# Altium PCB amp.PcbDoc (part 16 of 20) (continued)
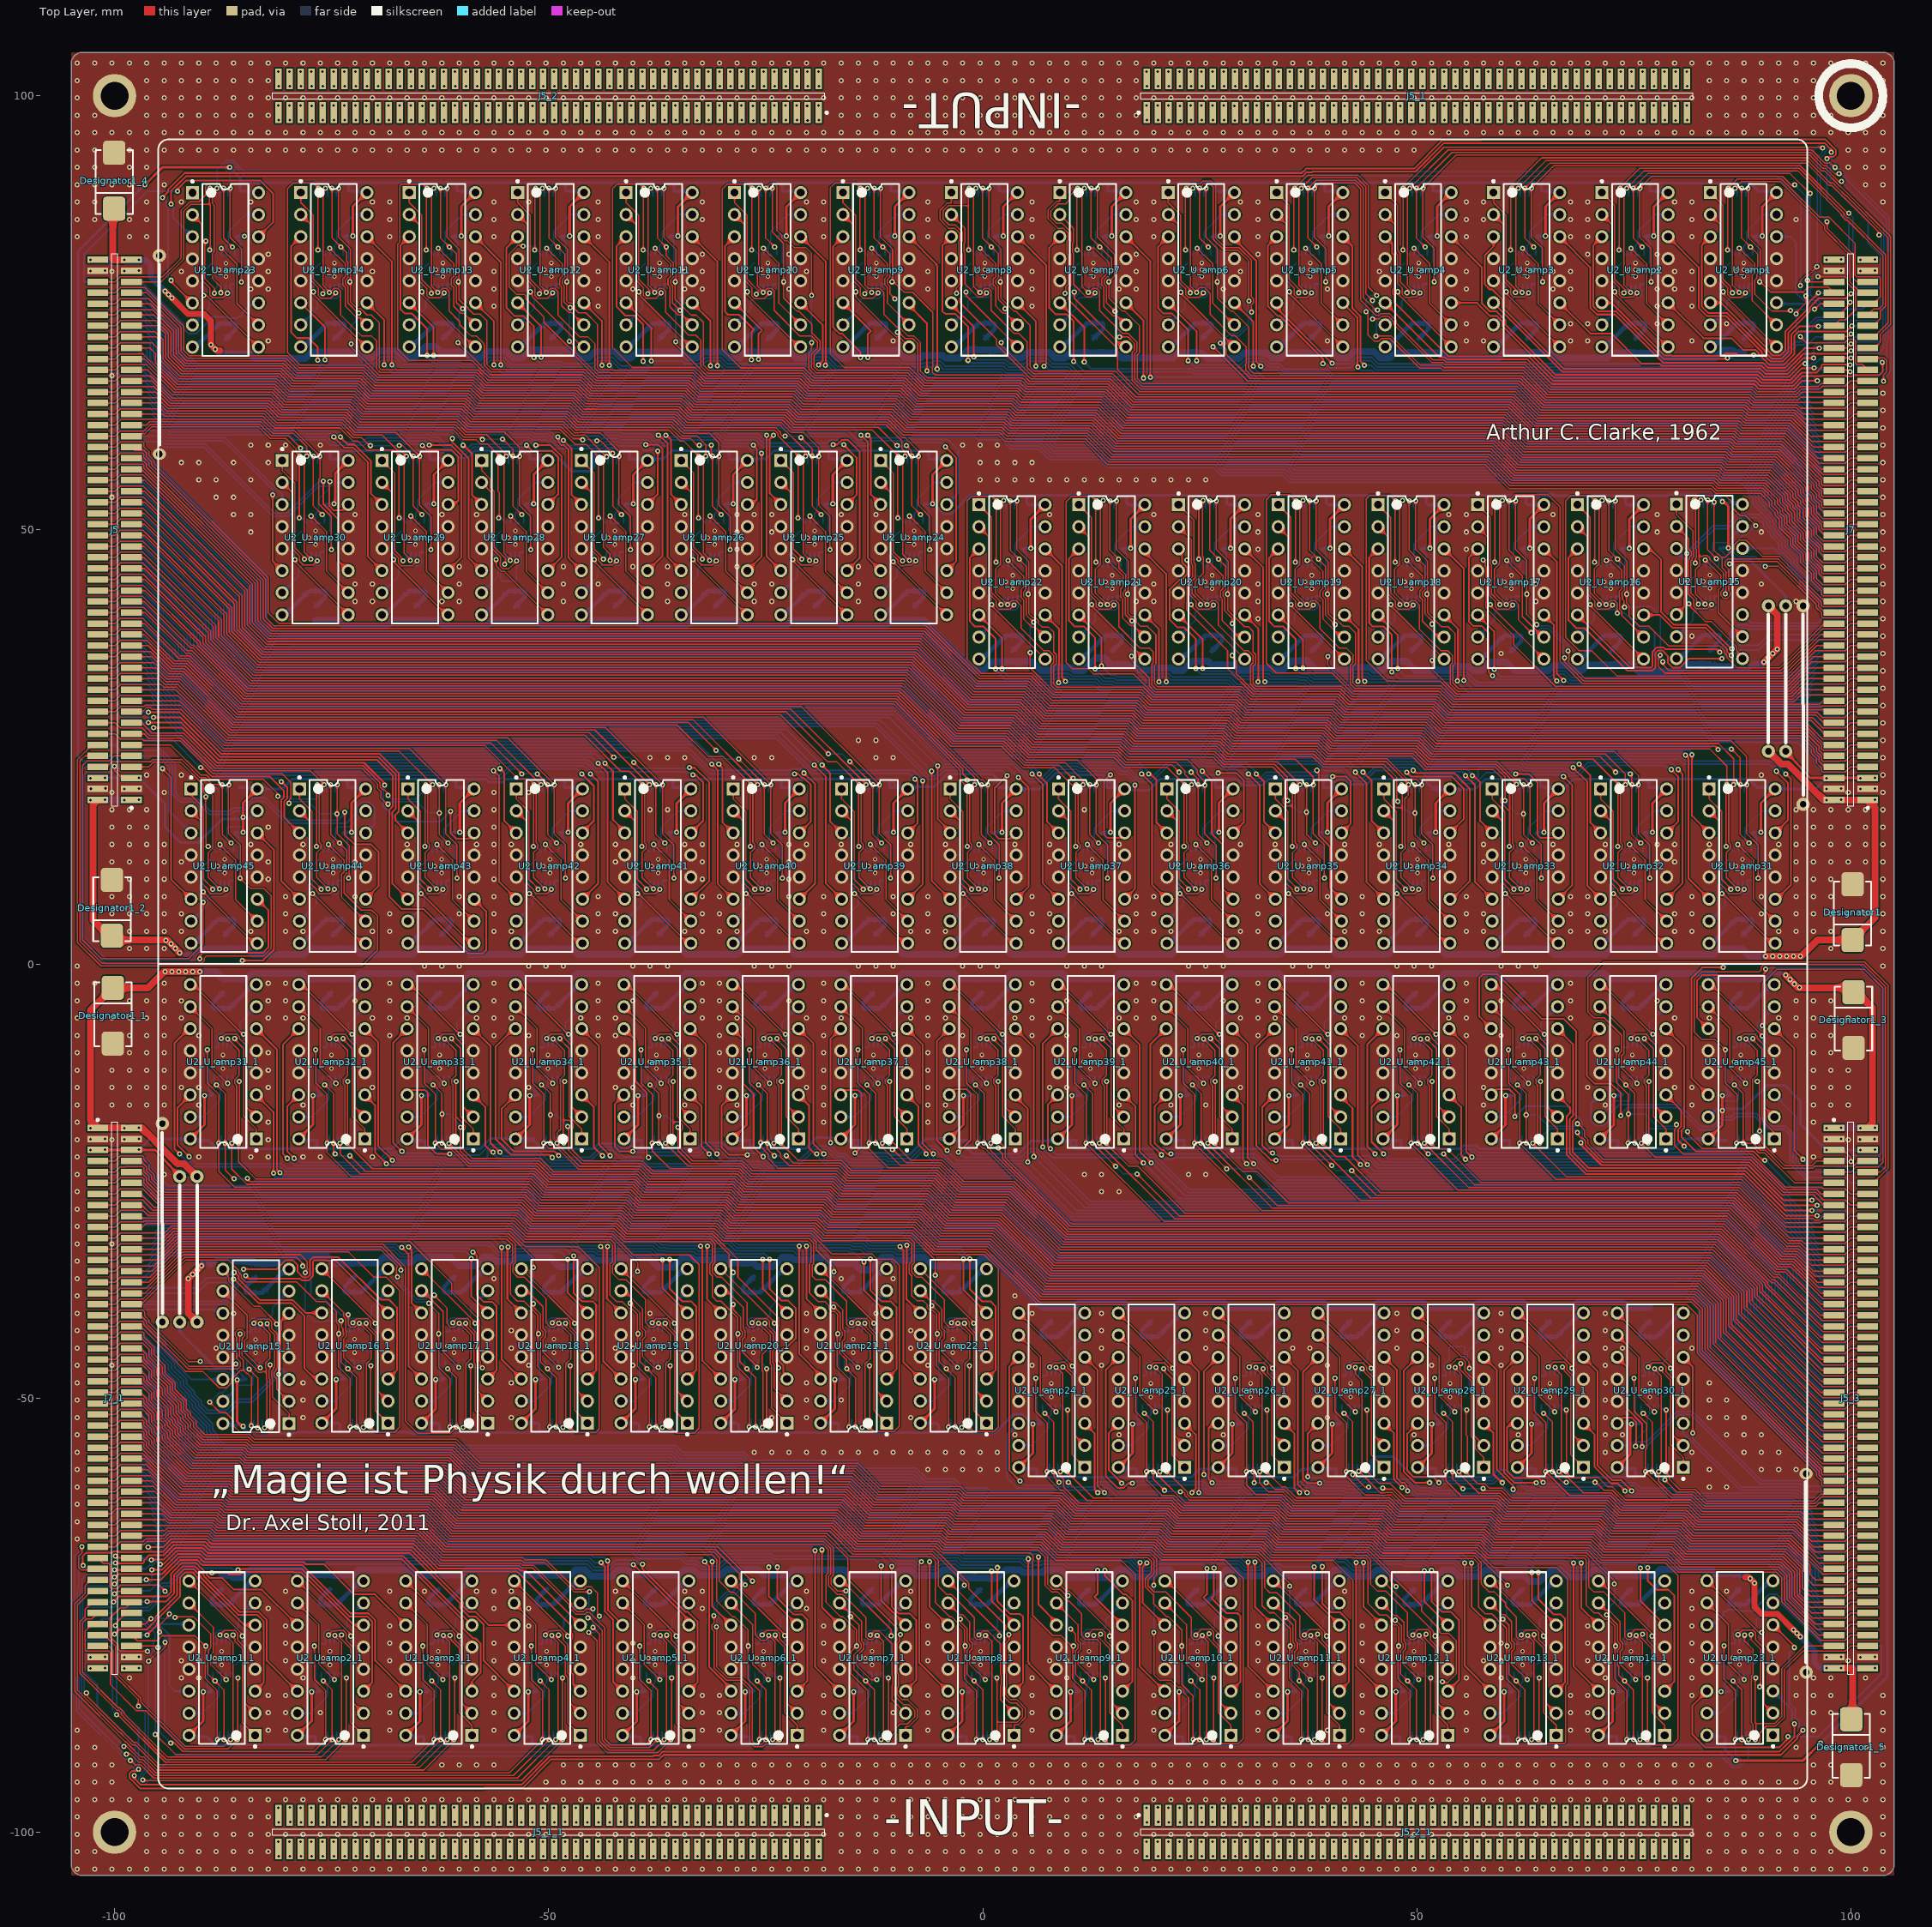
[diagram p0: Top Layer view]
## Nets (pads, with @x,y where several pads share a name; then routed paths per layer and width w, separated by ;. In a path a pad name is that pad's centre, name@x,y a point inside that pad or via, vN(x,y) a via of type N, cw(c..) or ccw(c..) an arc to the next point about the centre after c; other vN are vias at no path point) (continued)
  Bottom Layer w0.2: J8_1.83@-98.05,-70.955 -98.037,-70.942 v1(-96.368,-70.942) ; v1(96.368,70.942) 98.037,70.942 J8.83@98.05,70.955
NetJ8_84: J8.84 J8_1.84 U2_U_amp3.11 U2_U_amp3_1.11 | length 79.8
  Top Layer w0.2: v1(-100,-70.612) -99.873,-70.612 -99.566,-70.305 -95.954,-70.305 -95.935,-70.324 -95.479,-70.324 -95.461,-70.305 -94.562,-70.305 -94.19,-69.933 -94.19,-69.931 -92.579,-68.32 -90.301,-68.32 -89.723,-68.899 -78.222,-68.899 -77.983,-69.139 -75.895,-69.139 -72.424,-72.61 -70,-72.61 U2_U_amp3_1.11@-66.46,-76.15 ; U2_U_amp3.11@66.46,76.15 70,72.61 72.424,72.61 75.895,69.139 77.983,69.139 78.222,68.899 89.723,68.899 90.301,68.32 92.579,68.32 94.19,69.931 94.19,69.933 94.562,70.305 95.461,70.305 95.479,70.324 95.935,70.324 95.954,70.305 99.566,70.305 99.873,70.612 v1(100,70.612)
  Bottom Layer w0.2: J8_1.84@-101.95,-70.955 -100.521,-70.955 -100.355,-70.79 -100.051,-70.79 -100,-70.739 v1(-100,-70.612) ; v1(100,70.612) 100,70.739 100.051,70.79 100.355,70.79 100.521,70.955 J8.84@101.95,70.955
NetJ8_85: J8.85 J8_1.85 U2_U_amp3.6 U2_U_amp3_1.6 | length 91.6
  Top Layer w0.2: v1(-94.717,-69.164) -94.413,-69.164 -92.869,-67.62 -90.011,-67.62 -89.433,-68.199 -66.791,-68.199 U2_U_amp3_1.6@-58.84,-76.15 ; U2_U_amp3.6@58.84,76.15 66.791,68.199 89.433,68.199 90.011,67.62 92.869,67.62 94.413,69.164 v1(94.717,69.164)
  Bottom Layer w0.2: J8_1.85@-98.05,-72.225 -95.923,-72.225 -95.433,-71.735 -95.433,-71.72 -94.701,-70.988 -94.701,-70.647 -94.717,-70.663 v1(-94.717,-69.164) ; v1(94.717,69.164) 94.717,70.663 94.701,70.647 94.701,70.988 95.433,71.72 95.433,71.735 95.923,72.225 J8.85@98.05,72.225
NetJ8_86: J8.86 J8_1.86 U2_U_amp3.3 U2_U_amp3_1.3 | length 114.7
  Top Layer w0.2: v1(-95.707,-69.774) -94.528,-69.774 -92.724,-67.97 -90.156,-67.97 -89.578,-68.549 -66.936,-68.549 -59.84,-75.645 -59.84,-76.565 -58.714,-77.69 -58.426,-77.69 -57.84,-78.276 -57.84,-81.645 -58.84,-82.645 U2_U_amp3_1.3@-58.84,-83.77 ; U2_U_amp3.3@58.84,83.77 58.84,82.645 57.84,81.645 57.84,78.276 58.426,77.69 58.714,77.69 59.84,76.565 59.84,75.645 66.936,68.549 89.578,68.549 90.156,67.97 92.724,67.97 94.528,69.774 v1(95.707,69.774)
  Bottom Layer w0.2: J8_1.86@-101.95,-72.225 -100.486,-72.225 -100.253,-71.992 -99.741,-71.992 -99.354,-71.605 -97.437,-71.605 -97.407,-71.575 -96.223,-71.575 -95.707,-71.06 v1(-95.707,-69.774) ; v1(95.707,69.774) 95.707,71.06 96.223,71.575 97.407,71.575 97.437,71.605 99.354,71.605 99.741,71.992 100.253,71.992 100.486,72.225 J8.86@101.95,72.225
NetJ8_87: J8.87 J8_1.87 U2_U_amp2.14 U2_U_amp2_1.14 | length 61.6
  Top Layer w0.2: v1(-96.266,-73.457) -94.13,-73.457 -93.14,-72.468 -93.14,-70.366 -92.145,-69.37 -90.736,-69.37 -89.74,-70.366 -89.74,-70.511 -85.641,-74.61 -83.451,-74.61 -82.47,-75.591 -82.47,-80.25 U2_U_amp2_1.14@-78.95,-83.77 ; U2_U_amp2.14@78.95,83.77 82.47,80.25 82.47,75.591 83.451,74.61 85.641,74.61 89.74,70.511 89.74,70.366 90.736,69.37 92.145,69.37 93.14,70.366 93.14,72.468 94.13,73.457 v1(96.266,73.457)
  Bottom Layer w0.2: J8_1.87@-98.05,-73.495 -98.012,-73.457 v1(-96.266,-73.457) ; v1(96.266,73.457) 98.012,73.457 J8.87@98.05,73.495
NetJ8_88: J8.88 J8_1.88 U2_U_amp2.11 U2_U_amp2_1.11 | length 58.2
  Top Layer w0.2: v1(-100.127,-73.482) -99.509,-72.864 -94.032,-72.864 -93.49,-72.323 -93.49,-70.221 -92.29,-69.02 -90.591,-69.02 -89.374,-70.238 -89.374,-70.383 -89.052,-70.705 -87.645,-70.705 -86.28,-72.07 -83.03,-72.07 U2_U_amp2_1.11@-78.95,-76.15 ; U2_U_amp2.11@78.95,76.15 83.03,72.07 86.28,72.07 87.645,70.705 89.052,70.705 89.374,70.383 89.374,70.238 90.591,69.02 92.29,69.02 93.49,70.221 93.49,72.323 94.032,72.864 99.509,72.864 v1(100.127,73.482)
  Bottom Layer w0.2: J8_1.88@-101.95,-73.495 -101.937,-73.482 v1(-100.127,-73.482) ; v1(100.127,73.482) 101.937,73.482 J8.88@101.95,73.495
NetJ8_89: J8.89 J8_1.89 U2_U_amp2.6 U2_U_amp2_1.6 | length 64.2
  Top Layer w0.2: v1(-88.824,-70.155) -86.97,-70.155 -86.775,-70.349 -85.573,-70.349 -85.277,-70.053 -79.375,-70.053 -79.358,-70.07 -78.536,-70.07 -72.456,-76.15 U2_U_amp2_1.6@-71.33,-76.15 ; U2_U_amp2.6@71.33,76.15 72.456,76.15 78.536,70.07 79.358,70.07 79.375,70.053 85.277,70.053 85.573,70.349 86.775,70.349 86.97,70.155 v1(88.824,70.155)
  Bottom Layer w0.2: J8_1.89@-98.05,-74.765 -97.033,-74.765 -96.763,-74.495 -96.031,-74.495 -95.205,-73.668 -95.205,-73.227 -94.733,-72.755 -94.733,-72.01 -94.411,-71.688 -93.665,-71.688 -92.048,-70.07 -90.642,-70.07 -90.558,-70.155 v1(-88.824,-70.155) ; v1(88.824,70.155) 90.558,70.155 90.642,70.07 92.048,70.07 93.665,71.688 94.411,71.688 94.733,72.01 94.733,72.755 95.205,73.227 95.205,73.668 96.031,74.495 96.763,74.495 97.033,74.765 J8.89@98.05,74.765
NetJ8_90: J8.90 J8_1.90 U2_U_amp2.3 U2_U_amp2_1.3 | length 91
  Top Layer w0.2: v1(-85.801,-69.799) -85.705,-69.703 -78.408,-69.703 -72.961,-75.15 -70.916,-75.15 -70.33,-75.736 -70.33,-82.77 U2_U_amp2_1.3@-71.33,-83.77 ; U2_U_amp2.3@71.33,83.77 70.33,82.77 70.33,75.736 70.916,75.15 72.961,75.15 78.408,69.703 85.705,69.703 v1(85.801,69.799)
  Bottom Layer w0.2: J8_1.90@-101.95,-74.765 -99.974,-74.765 -99.354,-74.145 -96.176,-74.145 -95.555,-73.523 -95.555,-73.082 -95.083,-72.61 -95.083,-71.865 -94.556,-71.338 -93.81,-71.338 -92.078,-69.605 -86.529,-69.605 -86.335,-69.799 v1(-85.801,-69.799) ; v1(85.801,69.799) 86.335,69.799 86.529,69.605 92.078,69.605 93.81,71.338 94.556,71.338 95.083,71.865 95.083,72.61 95.555,73.082 95.555,73.523 96.176,74.145 99.354,74.145 99.974,74.765 J8.90@101.95,74.765
NetJ8_91: J8.91 J8_1.91 U2_U_amp1.14 U2_U_amp1_1.14 | length 26.6
  Bottom Layer w0.2: J8_1.91@-98.05,-76.035 -96.621,-76.035 -96.214,-76.442 -95.102,-76.442 -95.046,-76.387 -94.59,-76.387 -93.633,-77.344 -93.633,-78.358 -93.701,-78.426 -93.701,-83.083 -93.014,-83.77 U2_U_amp1_1.14@-91.44,-83.77 ; U2_U_amp1.14@91.44,83.77 93.014,83.77 93.701,83.083 93.701,78.426 93.633,78.358 93.633,77.344 94.59,76.387 95.046,76.387 95.102,76.442 96.214,76.442 96.621,76.035 J8.91@98.05,76.035
NetJ8_92: J8.92 J8_1.92 U2_U_amp1.11 U2_U_amp1_1.11 | length 22.2
  Bottom Layer w0.2: J8_1.92@-101.95,-76.035 -101.33,-75.415 -96.746,-75.415 -96.069,-76.092 -95.247,-76.092 -95.191,-76.037 -91.554,-76.037 U2_U_amp1_1.11@-91.44,-76.15 ; U2_U_amp1.11@91.44,76.15 91.554,76.037 95.191,76.037 95.247,76.092 96.069,76.092 96.746,75.415 101.33,75.415 J8.92@101.95,76.035
NetJ8_93: J8.93 J8_1.93 U2_U_amp1.6 U2_U_amp1_1.6 | length 43
  Top Layer w0.2: v1(-96.266,-77.292) -95.143,-76.169 -95.143,-76.015 -94.934,-75.806 -94.934,-75.335 -92.44,-72.841 -92.44,-70.656 -91.855,-70.07 -91.026,-70.07 -90.44,-70.656 -90.44,-70.801 -85.091,-76.15 U2_U_amp1_1.6@-83.82,-76.15 ; U2_U_amp1.6@83.82,76.15 85.091,76.15 90.44,70.801 90.44,70.656 91.026,70.07 91.855,70.07 92.44,70.656 92.44,72.841 94.934,75.335 94.934,75.806 95.143,76.015 95.143,76.169 v1(96.266,77.292)
  Bottom Layer w0.2: J8_1.93@-98.05,-77.305 -98.037,-77.292 v1(-96.266,-77.292) ; v1(96.266,77.292) 98.037,77.292 J8.93@98.05,77.305
NetJ8_94: J8.94 J8_1.94 U2_U_amp1.3 U2_U_amp1_1.3 | length 69.7
  Top Layer w0.2: v1(-100,-77.216) -99.439,-76.655 -96.299,-76.655 -95.284,-75.64 -95.284,-75.19 -92.79,-72.696 -92.79,-70.511 -92,-69.72 -90.881,-69.72 -90.09,-70.511 -90.09,-70.656 -85.786,-74.96 -83.596,-74.96 -82.82,-75.736 -82.82,-82.77 U2_U_amp1_1.3@-83.82,-83.77 ; U2_U_amp1.3@83.82,83.77 82.82,82.77 82.82,75.736 83.596,74.96 85.786,74.96 90.09,70.656 90.09,70.511 90.881,69.72 92,69.72 92.79,70.511 92.79,72.696 95.284,75.19 95.284,75.64 96.299,76.655 99.439,76.655 v1(100,77.216)
  Bottom Layer w0.2: J8_1.94@-101.95,-77.305 -101.861,-77.216 v1(-100,-77.216) ; v1(100,77.216) 101.861,77.216 J8.94@101.95,77.305
NetJ8_95: J8.95 J8_1.95 U2_U_amp23.6 U2_U_amp23_1.6 | length 457.1
  Top Layer w0.2: v1(-97.25,-92.75) -97.05,-92.95 -97.978,-92.95 -98.3,-93.272 -98.3,-93.728 -97.028,-95 -57.5,-95 -57.4,-94.9 -52.99,-94.9 -49.69,-91.6 -37.245,-91.6 -36.745,-91.1 91.923,-91.1 93.85,-89.173 93.85,-88.9 v1(94.5,-88.25) ; v1(-94.5,88.25) -93.85,88.9 -93.85,89.173 -91.923,91.1 36.745,91.1 37.245,91.6 49.69,91.6 52.99,94.9 57.4,94.9 57.5,95 97.028,95 98.3,93.728 98.3,93.272 97.978,92.95 97.05,92.95 v1(97.25,92.75) ; v1(-93.5,78.75) -93.5,78.589 U2_U_amp23.6@-91.041,76.13 ; U2_U_amp23_1.6@91.041,-76.13 93.5,-78.589 v1(93.5,-78.75)
  Bottom Layer w0.2: J8_1.95@-98.05,-78.575 -98.704,-78.575 -99.75,-79.621 -99.75,-85.5 -97.271,-87.979 -97.271,-92.729 v1(-97.25,-92.75) ; v1(-94.5,88.25) -94.014,87.764 -94.05,87.728 -94.05,87.272 -93.828,87.05 -93.828,79.078 v1(-93.5,78.75) ; v1(93.5,-78.75) 92.913,-79.337 92.913,-85.127 93.6,-85.814 93.6,-86.822 94.05,-87.272 94.05,-87.728 94.014,-87.764 v1(94.5,-88.25) ; v1(97.25,92.75) 97.271,92.729 97.271,87.979 99.75,85.5 99.75,79.621 98.704,78.575 J8.95@98.05,78.575
NetJ8_96: J8.96 J8_1.96 U2_U_amp23.3 U2_U_amp23_1.3 | length 438.2
  Top Layer w0.2: v1(-97.75,-93.5) -97.75,-93.778 -96.978,-94.55 -53.135,-94.55 -49.835,-91.25 -38,-91.25 -37.942,-91.192 -37.332,-91.192 -36.89,-90.75 91.75,-90.75 92.95,-89.55 92.978,-89.55 93.5,-89.028 v1(93.5,-87.5) ; v1(-93.5,87.5) -93.5,89.028 -92.978,89.55 -92.95,89.55 -91.75,90.75 36.89,90.75 37.332,91.192 37.942,91.192 38,91.25 49.835,91.25 53.135,94.55 96.978,94.55 97.75,93.778 v1(97.75,93.5)
  Bottom Layer w0.15: J8_1.96@-102.825,-78.575 -103.4,-79.15 -103.4,-81.6 -102,-83 ; 102,83 103.4,81.6 103.4,79.15 J8.96@102.825,78.575
  Bottom Layer w0.2: J8_1.96@-102.825,-78.575 J8_1.96@-101.95,-78.575 ; -102,-83 -102,-85.523 -100.123,-87.4 -100.1,-87.4 -97.621,-89.879 -97.621,-92.343 -97.8,-92.522 -97.8,-92.978 -97.621,-93.156 -97.621,-93.371 v1(-97.75,-93.5) ; v1(-93.5,87.5) -93.25,87.25 -93.25,85.959 U2_U_amp23.3@-91.041,83.75 ; U2_U_amp23_1.3@91.041,-83.75 93.25,-85.959 93.25,-87.25 v1(93.5,-87.5) ; v1(97.75,93.5) 97.621,93.371 97.621,93.156 97.8,92.978 97.8,92.522 97.621,92.343 97.621,89.879 100.1,87.4 100.123,87.4 102,85.523 102,83 ; J8.96@101.95,78.575 J8.96@102.825,78.575
NetU1_U_amp1_2: U1_U_amp1.2 U1_U_amp1.3 U1_U_amp1_1.2 U1_U_amp1_1.3 U2_U_amp1.7 U2_U_amp1_1.7 | length 16.6
  Bottom Layer w0.15: U1_U_amp1_1.2@-88.687,-78.305 U1_U_amp1_1.3@-88.187,-78.305 -88.179,-78.297 -88.179,-77.795 -88.388,-77.587 -88.388,-77.07 -88.072,-76.754 -86.132,-76.754 -85.725,-76.347 -85.725,-75.515 U2_U_amp1_1.7@-83.82,-73.61 ; U2_U_amp1.7@83.82,73.61 85.725,75.515 85.725,76.347 86.132,76.754 88.072,76.754 88.388,77.07 88.388,77.587 88.179,77.795 88.179,78.297 U1_U_amp1.3@88.187,78.305 U1_U_amp1.2@88.687,78.305
NetU1_U_amp1_4: U1_U_amp1.4 U1_U_amp1_1.4 U2_U_amp1.2 U2_U_amp1_1.2 | length 27
  Top Layer w0.15: v1(-87.863,-77.287) -87.342,-76.767 -86.143,-76.767 -85.835,-77.075 -85.835,-77.873 -84.967,-78.742 -84.967,-85.164 U2_U_amp1_1.2@-83.82,-86.31 ; U2_U_amp1.2@83.82,86.31 84.967,85.164 84.967,78.742 85.835,77.873 85.835,77.075 86.143,76.767 87.342,76.767 v1(87.863,77.287)
  Bottom Layer w0.15: U1_U_amp1_1.4@-87.687,-78.305 v1@-87.687,-77.227 ; v1@87.687,77.227 U1_U_amp1.4@87.687,78.305
NetU1_U_amp1_10: U1_U_amp1.10 U1_U_amp1_1.10 U2_U_amp1.10 U2_U_amp1_1.10 | length 23.4
  Top Layer w0.15: U2_U_amp1_1.10@-91.44,-73.61 -88.65,-76.401 -88.65,-79.325 -88.95,-79.625 -88.95,-80.641 v1(-87.147,-82.443) ; v1(87.147,82.443) 88.95,80.641 88.95,79.625 88.65,79.325 88.65,76.401 U2_U_amp1.10@91.44,73.61
  Bottom Layer w0.15: U1_U_amp1_1.10@-87.187,-81.605 -87.187,-82.403 v1(-87.147,-82.443) ; v1(87.147,82.443) 87.187,82.403 U1_U_amp1.10@87.187,81.605
NetU1_U_amp1_11: U1_U_amp1.11 U1_U_amp1.12 U1_U_amp1_1.11 U1_U_amp1_1.12 U2_U_amp1.15 U2_U_amp1_1.15 | length 15.3
  Bottom Layer w0.15: U2_U_amp1_1.15@-91.44,-86.31 -89.938,-86.31 -87.976,-84.349 -87.976,-83.028 -87.687,-82.739 U1_U_amp1_1.11@-87.687,-81.605 U1_U_amp1_1.12@-88.187,-81.605 ; U1_U_amp1.12@88.187,81.605 U1_U_amp1.11@87.687,81.605 87.687,82.739 87.976,83.028 87.976,84.349 89.938,86.31 U2_U_amp1.15@91.44,86.31
NetU1_U_amp2_2: U1_U_amp2.2 U1_U_amp2.3 U1_U_amp2_1.2 U1_U_amp2_1.3 U2_U_amp2.7 U2_U_amp2_1.7 | length 16.6
  Bottom Layer w0.15: U1_U_amp2_1.2@-76.197,-78.305 U1_U_amp2_1.3@-75.697,-78.305 -75.689,-78.297 -75.689,-77.795 -75.897,-77.587 -75.897,-77.07 -75.581,-76.754 -73.641,-76.754 -73.235,-76.347 -73.235,-75.515 U2_U_amp2_1.7@-71.33,-73.61 ; U2_U_amp2.7@71.33,73.61 73.235,75.515 73.235,76.347 73.641,76.754 75.581,76.754 75.897,77.07 75.897,77.587 75.689,77.795 75.689,78.297 U1_U_amp2.3@75.697,78.305 U1_U_amp2.2@76.197,78.305
NetU1_U_amp2_4: U1_U_amp2.4 U1_U_amp2_1.4 U2_U_amp2.2 U2_U_amp2_1.2 | length 27
  Top Layer w0.15: v1(-75.372,-77.287) -74.898,-76.813 -74.355,-76.813 -74.309,-76.767 -73.646,-76.767 -73.338,-77.075 -73.338,-77.88 -72.477,-78.742 -72.477,-85.164 U2_U_amp2_1.2@-71.33,-86.31 ; U2_U_amp2.2@71.33,86.31 72.477,85.164 72.477,78.742 73.338,77.88 73.338,77.075 73.646,76.767 74.309,76.767 74.355,76.813 74.898,76.813 v1(75.372,77.287)
  Bottom Layer w0.15: U1_U_amp2_1.4@-75.197,-78.305 v1@-75.197,-77.227 ; v1@75.197,77.227 U1_U_amp2.4@75.197,78.305
NetU1_U_amp2_10: U1_U_amp2.10 U1_U_amp2_1.10 U2_U_amp2.10 U2_U_amp2_1.10 | length 22.9
  Top Layer w0.15: U2_U_amp2_1.10@-78.95,-73.61 -76.46,-76.101 -76.46,-80.641 v1(-74.657,-82.443) ; v1(74.657,82.443) 76.46,80.641 76.46,76.101 U2_U_amp2.10@78.95,73.61
  Bottom Layer w0.15: U1_U_amp2_1.10@-74.697,-81.605 -74.697,-82.403 v1(-74.657,-82.443) ; v1(74.657,82.443) 74.697,82.403 U1_U_amp2.10@74.697,81.605
NetU1_U_amp2_11: U1_U_amp2.11 U1_U_amp2.12 U1_U_amp2_1.11 U1_U_amp2_1.12 U2_U_amp2.15 U2_U_amp2_1.15 | length 15.3
  Bottom Layer w0.15: U2_U_amp2_1.15@-78.95,-86.31 -77.448,-86.31 -75.486,-84.349 -75.486,-83.028 -75.197,-82.739 U1_U_amp2_1.11@-75.197,-81.605 U1_U_amp2_1.12@-75.697,-81.605 ; U1_U_amp2.12@75.697,81.605 U1_U_amp2.11@75.197,81.605 75.197,82.739 75.486,83.028 75.486,84.349 77.448,86.31 U2_U_amp2.15@78.95,86.31
NetU1_U_amp3_2: U1_U_amp3.2 U1_U_amp3.3 U1_U_amp3_1.2 U1_U_amp3_1.3 U2_U_amp3.7 U2_U_amp3_1.7 | length 16.6
  Bottom Layer w0.15: U1_U_amp3_1.2@-63.707,-78.305 U1_U_amp3_1.3@-63.207,-78.305 -63.199,-78.297 -63.199,-77.795 -63.407,-77.587 -63.407,-77.07 -63.091,-76.754 -61.151,-76.754 -60.745,-76.347 -60.745,-75.515 U2_U_amp3_1.7@-58.84,-73.61 ; U2_U_amp3.7@58.84,73.61 60.745,75.515 60.745,76.347 61.151,76.754 63.091,76.754 63.407,77.07 63.407,77.587 63.199,77.795 63.199,78.297 U1_U_amp3.3@63.207,78.305 U1_U_amp3.2@63.707,78.305
NetU1_U_amp3_4: U1_U_amp3.4 U1_U_amp3_1.4 U2_U_amp3.2 U2_U_amp3_1.2 | length 26.9
  Top Layer w0.15: v1(-62.882,-77.287) -62.408,-76.813 -61.154,-76.813 -60.841,-77.126 -60.841,-77.822 -59.986,-78.677 -59.986,-85.164 U2_U_amp3_1.2@-58.84,-86.31 ; U2_U_amp3.2@58.84,86.31 59.986,85.164 59.986,78.677 60.841,77.822 60.841,77.126 61.154,76.813 62.408,76.813 v1(62.882,77.287)
  Bottom Layer w0.15: U1_U_amp3_1.4@-62.707,-78.305 v1@-62.707,-77.227 ; v1@62.707,77.227 U1_U_amp3.4@62.707,78.305
NetU1_U_amp3_10: U1_U_amp3.10 U1_U_amp3_1.10 U2_U_amp3.10 U2_U_amp3_1.10 | length 22.9
  Top Layer w0.15: U2_U_amp3_1.10@-66.46,-73.61 -63.969,-76.101 -63.969,-80.641 v1(-62.167,-82.443) ; v1(62.167,82.443) 63.969,80.641 63.969,76.101 U2_U_amp3.10@66.46,73.61
  Bottom Layer w0.15: U1_U_amp3_1.10@-62.207,-81.605 -62.207,-82.403 v1(-62.167,-82.443) ; v1(62.167,82.443) 62.207,82.403 U1_U_amp3.10@62.207,81.605
NetU1_U_amp3_11: U1_U_amp3.11 U1_U_amp3.12 U1_U_amp3_1.11 U1_U_amp3_1.12 U2_U_amp3.15 U2_U_amp3_1.15 | length 15.3
  Bottom Layer w0.15: U2_U_amp3_1.15@-66.46,-86.31 -64.958,-86.31 -62.996,-84.349 -62.996,-83.028 -62.707,-82.739 U1_U_amp3_1.11@-62.707,-81.605 U1_U_amp3_1.12@-63.207,-81.605 ; U1_U_amp3.12@63.207,81.605 U1_U_amp3.11@62.707,81.605 62.707,82.739 62.996,83.028 62.996,84.349 64.958,86.31 U2_U_amp3.15@66.46,86.31
NetU1_U_amp4_2: U1_U_amp4.2 U1_U_amp4.3 U1_U_amp4_1.2 U1_U_amp4_1.3 U2_U_amp4.7 U2_U_amp4_1.7 | length 16.6
  Bottom Layer w0.15: U1_U_amp4_1.2@-51.217,-78.305 U1_U_amp4_1.3@-50.717,-78.305 -50.709,-78.297 -50.709,-77.795 -50.917,-77.587 -50.917,-77.07 -50.601,-76.754 -48.661,-76.754 -48.254,-76.347 -48.254,-75.515 U2_U_amp4_1.7@-46.35,-73.61 ; U2_U_amp4.7@46.35,73.61 48.254,75.515 48.254,76.347 48.661,76.754 50.601,76.754 50.917,77.07 50.917,77.587 50.709,77.795 50.709,78.297 U1_U_amp4.3@50.717,78.305 U1_U_amp4.2@51.217,78.305
NetU1_U_amp4_4: U1_U_amp4.4 U1_U_amp4_1.4 U2_U_amp4.2 U2_U_amp4_1.2 | length 27
  Top Layer w0.15: v1(-50.392,-77.287) -49.918,-76.813 -49.362,-76.813 -49.341,-76.793 -48.652,-76.793 -48.345,-77.1 -48.345,-77.852 -47.772,-78.425 -47.772,-81.719 -47.587,-81.903 -47.587,-82.004 -47.496,-82.096 -47.496,-82.582 -47.496,-85.164 U2_U_amp4_1.2@-46.35,-86.31 ; U2_U_amp4.2@46.35,86.31 47.496,85.164 47.496,82.582 47.496,82.096 47.587,82.004 47.587,81.903 47.772,81.719 47.772,78.425 48.345,77.852 48.345,77.1 48.652,76.793 49.341,76.793 49.362,76.813 49.918,76.813 v1(50.392,77.287)
  Bottom Layer w0.15: U1_U_amp4_1.4@-50.217,-78.305 v1@-50.217,-77.227 ; v1@50.217,77.227 U1_U_amp4.4@50.217,78.305
NetU1_U_amp4_10: U1_U_amp4.10 U1_U_amp4_1.10 U2_U_amp4.10 U2_U_amp4_1.10 | length 22.9
  Top Layer w0.15: U2_U_amp4_1.10@-53.97,-73.61 -51.479,-76.101 -51.479,-80.641 v1(-49.677,-82.443) ; v1(49.677,82.443) 51.479,80.641 51.479,76.101 U2_U_amp4.10@53.97,73.61
  Bottom Layer w0.15: U1_U_amp4_1.10@-49.717,-81.605 -49.717,-82.403 v1(-49.677,-82.443) ; v1(49.677,82.443) 49.717,82.403 U1_U_amp4.10@49.717,81.605
NetU1_U_amp4_11: U1_U_amp4.11 U1_U_amp4.12 U1_U_amp4_1.11 U1_U_amp4_1.12 U2_U_amp4.15 U2_U_amp4_1.15 | length 15.3
  Bottom Layer w0.15: U2_U_amp4_1.15@-53.97,-86.31 -52.467,-86.31 -50.506,-84.349 -50.506,-83.028 -50.217,-82.739 U1_U_amp4_1.11@-50.217,-81.605 U1_U_amp4_1.12@-50.717,-81.605 ; U1_U_amp4.12@50.717,81.605 U1_U_amp4.11@50.217,81.605 50.217,82.739 50.506,83.028 50.506,84.349 52.467,86.31 U2_U_amp4.15@53.97,86.31
NetU1_U_amp5_2: U1_U_amp5.2 U1_U_amp5.3 U1_U_amp5_1.2 U1_U_amp5_1.3 U2_U_amp5.7 U2_U_amp5_1.7 | length 16.6
  Bottom Layer w0.15: U1_U_amp5_1.2@-38.727,-78.305 U1_U_amp5_1.3@-38.227,-78.305 -38.219,-78.297 -38.219,-77.795 -38.427,-77.587 -38.427,-77.07 -38.111,-76.754 -36.171,-76.754 -35.764,-76.347 -35.764,-75.515 U2_U_amp5_1.7@-33.86,-73.61 ; U2_U_amp5.7@33.86,73.61 35.764,75.515 35.764,76.347 36.171,76.754 38.111,76.754 38.427,77.07 38.427,77.587 38.219,77.795 38.219,78.297 U1_U_amp5.3@38.227,78.305 U1_U_amp5.2@38.727,78.305
NetU1_U_amp5_4: U1_U_amp5.4 U1_U_amp5_1.4 U2_U_amp5.2 U2_U_amp5_1.2 | length 27
  Top Layer w0.15: v1(-37.902,-77.287) -37.407,-76.793 -36.181,-76.793 -35.873,-77.1 -35.873,-77.85 -35.006,-78.717 -35.006,-85.164 U2_U_amp5_1.2@-33.86,-86.31 ; U2_U_amp5.2@33.86,86.31 35.006,85.164 35.006,78.717 35.873,77.85 35.873,77.1 36.181,76.793 37.407,76.793 v1(37.902,77.287)
  Bottom Layer w0.15: U1_U_amp5_1.4@-37.727,-78.305 v1@-37.727,-77.227 ; v1@37.727,77.227 U1_U_amp5.4@37.727,78.305
NetU1_U_amp5_10: U1_U_amp5.10 U1_U_amp5_1.10 U2_U_amp5.10 U2_U_amp5_1.10 | length 22.9
  Top Layer w0.15: U2_U_amp5_1.10@-41.48,-73.61 -38.989,-76.101 -38.989,-80.641 v1(-37.187,-82.443) ; v1(37.187,82.443) 38.989,80.641 38.989,76.101 U2_U_amp5.10@41.48,73.61
  Bottom Layer w0.15: U1_U_amp5_1.10@-37.227,-81.605 -37.227,-82.403 v1(-37.187,-82.443) ; v1(37.187,82.443) 37.227,82.403 U1_U_amp5.10@37.227,81.605
NetU1_U_amp5_11: U1_U_amp5.11 U1_U_amp5.12 U1_U_amp5_1.11 U1_U_amp5_1.12 U2_U_amp5.15 U2_U_amp5_1.15 | length 15.3
  Bottom Layer w0.15: U2_U_amp5_1.15@-41.48,-86.31 -39.977,-86.31 -38.015,-84.349 -38.015,-83.028 -37.727,-82.739 U1_U_amp5_1.11@-37.727,-81.605 U1_U_amp5_1.12@-38.227,-81.605 ; U1_U_amp5.12@38.227,81.605 U1_U_amp5.11@37.727,81.605 37.727,82.739 38.015,83.028 38.015,84.349 39.977,86.31 U2_U_amp5.15@41.48,86.31
NetU1_U_amp6_2: U1_U_amp6.2 U1_U_amp6.3 U1_U_amp6_1.2 U1_U_amp6_1.3 U2_U_amp6.7 U2_U_amp6_1.7 | length 16.6
  Bottom Layer w0.15: U1_U_amp6_1.2@-26.236,-78.305 U1_U_amp6_1.3@-25.736,-78.305 -25.728,-78.297 -25.728,-77.795 -25.937,-77.587 -25.937,-77.07 -25.621,-76.754 -23.681,-76.754 -23.274,-76.347 -23.274,-75.515 U2_U_amp6_1.7@-21.369,-73.61 ; U2_U_amp6.7@21.369,73.61 23.274,75.515 23.274,76.347 23.681,76.754 25.621,76.754 25.937,77.07 25.937,77.587 25.728,77.795 25.728,78.297 U1_U_amp6.3@25.736,78.305 U1_U_amp6.2@26.236,78.305
NetU1_U_amp6_4: U1_U_amp6.4 U1_U_amp6_1.4 U2_U_amp6.2 U2_U_amp6_1.2 | length 27
  Top Layer w0.15: v1(-25.412,-77.287) -24.917,-76.793 -23.684,-76.793 -23.376,-77.1 -23.376,-77.749 -22.516,-78.61 -22.516,-85.164 U2_U_amp6_1.2@-21.369,-86.31 ; U2_U_amp6.2@21.369,86.31 22.516,85.164 22.516,78.61 23.376,77.749 23.376,77.1 23.684,76.793 24.917,76.793 v1(25.412,77.287)
  Bottom Layer w0.15: U1_U_amp6_1.4@-25.236,-78.305 v1@-25.236,-77.227 ; v1@25.236,77.227 U1_U_amp6.4@25.236,78.305
NetU1_U_amp6_10: U1_U_amp6.10 U1_U_amp6_1.10 U2_U_amp6.10 U2_U_amp6_1.10 | length 22.9
  Top Layer w0.15: U2_U_amp6_1.10@-28.989,-73.61 -26.499,-76.101 -26.499,-80.641 v1(-24.696,-82.443) ; v1(24.696,82.443) 26.499,80.641 26.499,76.101 U2_U_amp6.10@28.989,73.61
  Bottom Layer w0.15: U1_U_amp6_1.10@-24.736,-81.605 -24.736,-82.403 v1(-24.696,-82.443) ; v1(24.696,82.443) 24.736,82.403 U1_U_amp6.10@24.736,81.605
NetU1_U_amp6_11: U1_U_amp6.11 U1_U_amp6.12 U1_U_amp6_1.11 U1_U_amp6_1.12 U2_U_amp6.15 U2_U_amp6_1.15 | length 15.3
  Bottom Layer w0.15: U2_U_amp6_1.15@-28.989,-86.31 -27.487,-86.31 -25.525,-84.349 -25.525,-83.028 -25.236,-82.739 U1_U_amp6_1.11@-25.236,-81.605 U1_U_amp6_1.12@-25.736,-81.605 ; U1_U_amp6.12@25.736,81.605 U1_U_amp6.11@25.236,81.605 25.236,82.739 25.525,83.028 25.525,84.349 27.487,86.31 U2_U_amp6.15@28.989,86.31
NetU1_U_amp7_2: U1_U_amp7.2 U1_U_amp7.3 U1_U_amp7_1.2 U1_U_amp7_1.3 U2_U_amp7.7 U2_U_amp7_1.7 | length 16.6
  Bottom Layer w0.15: U1_U_amp7_1.2@-13.746,-78.305 U1_U_amp7_1.3@-13.246,-78.305 -13.238,-78.297 -13.238,-77.795 -13.446,-77.587 -13.446,-77.07 -13.13,-76.754 -11.19,-76.754 -10.784,-76.347 -10.784,-75.515 U2_U_amp7_1.7@-8.879,-73.61 ; U2_U_amp7.7@8.879,73.61 10.784,75.515 10.784,76.347 11.19,76.754 13.13,76.754 13.446,77.07 13.446,77.587 13.238,77.795 13.238,78.297 U1_U_amp7.3@13.246,78.305 U1_U_amp7.2@13.746,78.305
NetU1_U_amp7_4: U1_U_amp7.4 U1_U_amp7_1.4 U2_U_amp7.2 U2_U_amp7_1.2 | length 26.2
  Top Layer w0.15: v1(-12.921,-77.287) -12.447,-76.813 -11.954,-76.813 -10.454,-78.313 -10.454,-81.883 -10.326,-82.011 -10.326,-82.989 -10.454,-83.118 -10.454,-84.735 U2_U_amp7_1.2@-8.879,-86.31 ; U2_U_amp7.2@8.879,86.31 10.454,84.735 10.454,83.118 10.326,82.989 10.326,82.011 10.454,81.883 10.454,78.313 11.954,76.813 12.447,76.813 v1(12.921,77.287)
  Bottom Layer w0.15: U1_U_amp7_1.4@-12.746,-78.305 v1@-12.746,-77.227 ; v1@12.746,77.227 U1_U_amp7.4@12.746,78.305
NetU1_U_amp7_10: U1_U_amp7.10 U1_U_amp7_1.10 U2_U_amp7.10 U2_U_amp7_1.10 | length 25.6
  Top Layer w0.15: U2_U_amp7_1.10@-16.499,-73.61 -15.451,-74.659 -15.023,-74.659 -13.934,-75.748 -13.934,-77.991 -13.709,-78.216 -13.709,-78.899 -14.564,-79.754 -14.564,-80.762 -12.883,-82.443 v1(-12.206,-82.443) ; v1(12.206,82.443) 12.883,82.443 14.564,80.762 14.564,79.754 13.709,78.899 13.709,78.216 13.934,77.991 13.934,75.748 15.023,74.659 15.451,74.659 U2_U_amp7.10@16.499,73.61
  Bottom Layer w0.15: U1_U_amp7_1.10@-12.246,-81.605 -12.246,-82.403 v1(-12.206,-82.443) ; v1(12.206,82.443) 12.246,82.403 U1_U_amp7.10@12.246,81.605
NetU1_U_amp7_11: U1_U_amp7.11 U1_U_amp7.12 U1_U_amp7_1.11 U1_U_amp7_1.12 U2_U_amp7.15 U2_U_amp7_1.15 | length 15.3
  Bottom Layer w0.15: U2_U_amp7_1.15@-16.499,-86.31 -14.997,-86.31 -13.035,-84.349 -13.035,-83.028 -12.746,-82.739 U1_U_amp7_1.11@-12.746,-81.605 U1_U_amp7_1.12@-13.246,-81.605 ; U1_U_amp7.12@13.246,81.605 U1_U_amp7.11@12.746,81.605 12.746,82.739 13.035,83.028 13.035,84.349 14.997,86.31 U2_U_amp7.15@16.499,86.31
NetU1_U_amp8_2: U1_U_amp8.2 U1_U_amp8.3 U1_U_amp8_1.2 U1_U_amp8_1.3 U2_U_amp8.7 U2_U_amp8_1.7 | length 16.6
  Bottom Layer w0.15: U2_U_amp8.7@-3.611,73.61 -1.706,75.515 -1.706,76.347 -1.3,76.754 0.64,76.754 0.956,77.07 0.956,77.587 0.748,77.795 0.748,78.297 U1_U_amp8.3@0.756,78.305 U1_U_amp8.2@1.256,78.305 ; U1_U_amp8_1.2@-1.256,-78.305 U1_U_amp8_1.3@-0.756,-78.305 -0.748,-78.297 -0.748,-77.795 -0.956,-77.587 -0.956,-77.07 -0.64,-76.754 1.3,-76.754 1.706,-76.347 1.706,-75.515 U2_U_amp8_1.7@3.611,-73.61
NetU1_U_amp8_4: U1_U_amp8.4 U1_U_amp8_1.4 U2_U_amp8.2 U2_U_amp8_1.2 | length 26.2
  Top Layer w0.15: U2_U_amp8.2@-3.611,86.31 -2.036,84.735 -2.036,83.118 -2.165,82.989 -2.165,82.011 -2.036,81.883 -2.036,78.313 -0.536,76.813 -0.043,76.813 v1(0.431,77.287) ; v1(-0.431,-77.287) 0.043,-76.813 0.536,-76.813 2.036,-78.313 2.036,-81.883 2.165,-82.011 2.165,-82.989 2.036,-83.118 2.036,-84.735 U2_U_amp8_1.2@3.611,-86.31
  Bottom Layer w0.15: U1_U_amp8_1.4@-0.256,-78.305 v1@-0.256,-77.227 ; v1@0.256,77.227 U1_U_amp8.4@0.256,78.305
NetU1_U_amp8_10: U1_U_amp8.10 U1_U_amp8_1.10 U2_U_amp8.10 U2_U_amp8_1.10 | length 23.8
  Top Layer w0.15: U2_U_amp8_1.10@-4.009,-73.61 -2.681,-74.938 -2.348,-74.938 -1.518,-75.768 -1.518,-77.916 -1.218,-78.216 -1.218,-78.899 -1.518,-79.199 -1.518,-80.641 v1(0.284,-82.443) ; v1(-0.284,82.443) 1.518,80.641 1.518,79.199 1.218,78.899 1.218,78.216 1.518,77.916 1.518,75.768 2.348,74.938 2.681,74.938 U2_U_amp8.10@4.009,73.61
  Bottom Layer w0.15: v1(-0.284,82.443) -0.244,82.403 U1_U_amp8.10@-0.244,81.605 ; U1_U_amp8_1.10@0.244,-81.605 0.244,-82.403 v1(0.284,-82.443)
NetU1_U_amp8_11: U1_U_amp8.11 U1_U_amp8.12 U1_U_amp8_1.11 U1_U_amp8_1.12 U2_U_amp8.15 U2_U_amp8_1.15 | length 15.3
  Bottom Layer w0.15: U2_U_amp8_1.15@-4.009,-86.31 -2.507,-86.31 -0.545,-84.349 -0.545,-83.028 -0.256,-82.739 U1_U_amp8_1.11@-0.256,-81.605 U1_U_amp8_1.12@-0.756,-81.605 ; U1_U_amp8.12@0.756,81.605 U1_U_amp8.11@0.256,81.605 0.256,82.739 0.545,83.028 0.545,84.349 2.507,86.31 U2_U_amp8.15@4.009,86.31
NetU1_U_amp9_2: U1_U_amp9.2 U1_U_amp9.3 U1_U_amp9_1.2 U1_U_amp9_1.3 U2_U_amp9.7 U2_U_amp9_1.7 | length 16.6
  Bottom Layer w0.15: U2_U_amp9.7@-16.101,73.61 -14.197,75.515 -14.197,76.347 -13.853,76.691 -11.913,76.691 -11.534,77.07 -11.534,77.587 -11.742,77.795 -11.742,78.297 U1_U_amp9.3@-11.734,78.305 U1_U_amp9.2@-11.234,78.305 ; U1_U_amp9_1.2@11.234,-78.305 U1_U_amp9_1.3@11.734,-78.305 11.742,-78.297 11.742,-77.795 11.534,-77.587 11.534,-77.07 11.913,-76.691 13.853,-76.691 14.197,-76.347 14.197,-75.515 U2_U_amp9_1.7@16.101,-73.61
NetU1_U_amp9_4: U1_U_amp9.4 U1_U_amp9_1.4 U2_U_amp9.2 U2_U_amp9_1.2 | length 27.3
  Top Layer w0.15: U2_U_amp9.2@-16.101,86.31 -14.955,85.164 -14.955,78.742 -14.089,77.875 -14.089,76.999 -13.781,76.691 -12.655,76.691 v1(-12.059,77.287) ; v1(12.059,-77.287) 12.655,-76.691 13.781,-76.691 14.089,-76.999 14.089,-77.875 14.955,-78.742 14.955,-85.164 U2_U_amp9_1.2@16.101,-86.31
  Bottom Layer w0.15: v1@-12.234,77.227 U1_U_amp9.4@-12.234,78.305 ; U1_U_amp9_1.4@12.234,-78.305 v1@12.234,-77.227
NetU1_U_amp9_10: U1_U_amp9.10 U1_U_amp9_1.10 U2_U_amp9.10 U2_U_amp9_1.10 | length 23.4
  Top Layer w0.15: v1(-12.774,82.443) -10.972,80.641 -10.972,79.272 -11.272,78.972 -11.272,78.216 -10.972,77.916 -10.972,76.101 U2_U_amp9.10@-8.481,73.61 ; U2_U_amp9_1.10@8.481,-73.61 10.972,-76.101 10.972,-77.916 11.272,-78.216 11.272,-78.972 10.972,-79.272 10.972,-80.641 v1(12.774,-82.443)
  Bottom Layer w0.15: v1(-12.774,82.443) -12.734,82.403 U1_U_amp9.10@-12.734,81.605 ; U1_U_amp9_1.10@12.734,-81.605 12.734,-82.403 v1(12.774,-82.443)
NetU1_U_amp9_11: U1_U_amp9.11 U1_U_amp9.12 U1_U_amp9_1.11 U1_U_amp9_1.12 U2_U_amp9.15 U2_U_amp9_1.15 | length 15.3
  Bottom Layer w0.15: U1_U_amp9.12@-11.734,81.605 U1_U_amp9.11@-12.234,81.605 -12.234,82.739 -11.945,83.028 -11.945,84.349 -9.984,86.31 U2_U_amp9.15@-8.481,86.31 ; U2_U_amp9_1.15@8.481,-86.31 9.984,-86.31 11.945,-84.349 11.945,-83.028 12.234,-82.739 U1_U_amp9_1.11@12.234,-81.605 U1_U_amp9_1.12@11.734,-81.605
NetU1_U_amp10_2: U1_U_amp10.2 U1_U_amp10.3 U1_U_amp10_1.2 U1_U_amp10_1.3 U2_U_amp10.7 U2_U_amp10_1.7 | length 16.6
  Bottom Layer w0.15: U2_U_amp10.7@-28.591,73.61 -26.687,75.515 -26.687,76.347 -26.419,76.615 -24.479,76.615 -24.024,77.07 -24.024,77.587 -24.232,77.795 -24.232,78.297 U1_U_amp10.3@-24.224,78.305 U1_U_amp10.2@-23.724,78.305 ; U1_U_amp10_1.2@23.724,-78.305 U1_U_amp10_1.3@24.224,-78.305 24.232,-78.297 24.232,-77.795 24.024,-77.587 24.024,-77.07 24.479,-76.615 26.419,-76.615 26.687,-76.347 26.687,-75.515 U2_U_amp10_1.7@28.591,-73.61